# KiCad board Duet3_MB.kicad_pcb (continued)
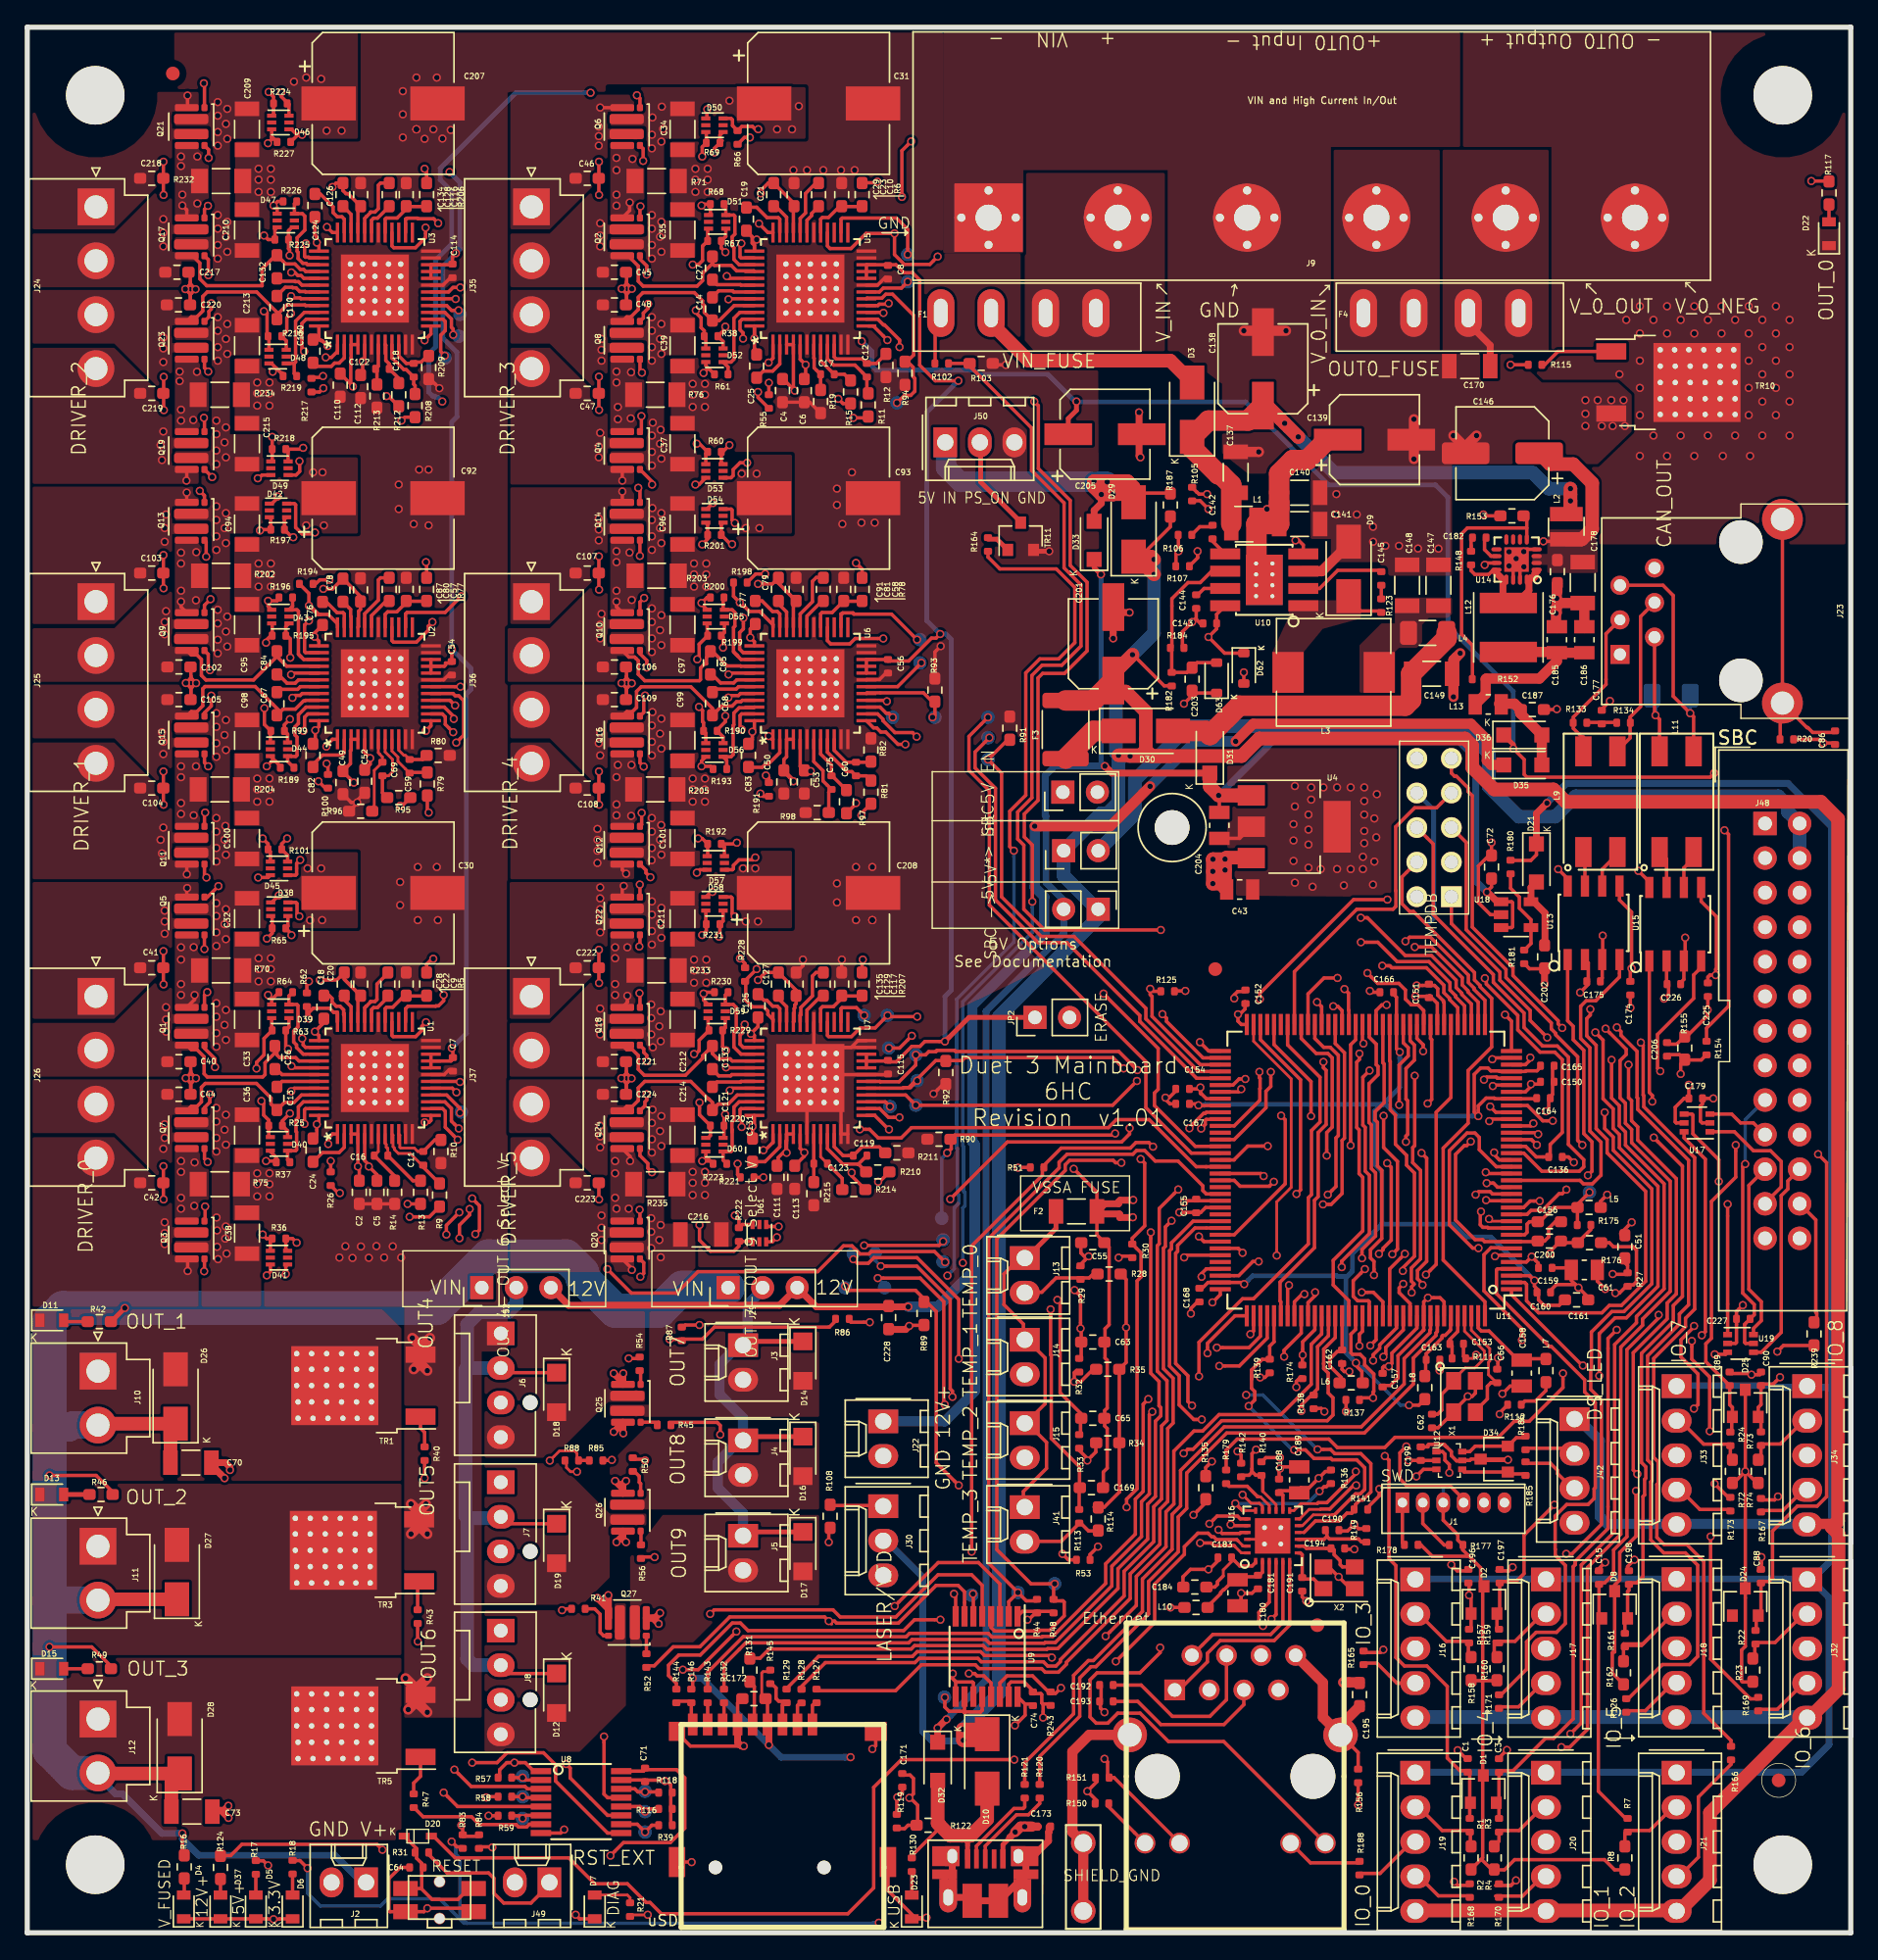
[diagram p0: board, top side]
## Routing (per net, layer and track width the routed paths; a pad name or vN(x,y) marks a point on that pad's centre or on a via; arc(x,y) is an arc through that point)
3.3V_EXT: length 169.8
  Top w0.25: D21.1 110.9,79.2 110.49,78.78 109,78.78
  Top w0.5: D21.1 110.9,82.23 v1(111.67,83)
  Bottom w0.5: 130.8,26 131.2,26 132.6,27.4 132.6,40.2 ; 130.8,26 131.03,26 132.4,24.63 132.4,13.82 130.38,11.8 102,11.8 ; 130.8,26 102,26 ; 132.6,40.2 132.46,40.06 128.44,40.06 128.3,40.2 121.2,40.2 ; 132.6,40.2 132.6,81.24 129.39,84.45 113.12,84.45 v1(111.67,83)
5V_EXT: length 375.2
  Top w0.25: 84,104.03 84,103.3 81.8,101.1 D29.1 ; v1(81.22,93.9) 81.26,93.9 83.55,91.62 84.1,91.62
  Top w0.5: 132.36,30.04 130.7,30.04
  Top w0.75: 132.6,29.8 132.36,30.04 130.8,30.04
  Top w1: 130.8,15.97 123.65,8.82 123.65,3.86 121.43,1.64 102,1.64 ; C201.1 79.81,91.19 80.72,91.19 82.2,89.71 82.2,86.89 ; 68.75,14.18 v1(68.75,14.94) 70.19,14.94 D10.1 70.09,14.14 v1(68.79,14.14) ; 82.2,86.89 82.64,86.45 ; 82.2,86.89 81.82,86.51 v1(80.19,86.51) ; 82.64,86.45 83.95,86.45 ; 82.64,86.45 v1(81.05,86.45) ; 82.64,86.45 83.95,86.45 ; v1(82.8,100.9) 82.6,101.1 D29.1 81.5,101.1 v1(82.8,99.8) ; 83.95,86.45 89.25,86.45 90.53,87.74 105.66,87.74 106.18,87.22 106.18,85.62 107.8,84 112.15,84 113.06,83.09 131.81,83.09 133.07,81.83 133.07,30.27 132.6,29.8 133.1,29.3 133.1,17.91 131.03,15.84 130.8,15.84 ; 79.81,92.49 v1(81.22,93.9)
  Top w1.5: C201.1 78.35,90.54 F3.1
  Bottom w0.5: 130.7,30.04 121.2,30.04 ; v1(68.79,14.14) 68.75,14.1 66.5,14.1 65.8,14.8 65.8,26.13 63.13,28.8 J30.2
  Bottom w0.75: 113.8,37.7 114.03,37.7 115.56,36.17 115.56,30.58 116.1,30.04 130.8,30.04
  Bottom w1: v1(82.8,99.8) v1(82.8,100.9) 82.8,95.48 v1(81.22,93.9) 80,92.68 80,86.7 v1(80.19,86.51) ; 131.03,15.84 102,15.84 ; JP5.1 78.61,75.2 76.16,77.65 JP4.1 78.91,82.25 79.38,82.25 80.19,83.06 v1(80.19,86.51) ; v1(80.19,86.51) 80.25,86.45 v1(81.05,86.45) ; v1(68.79,14.14) 68.79,14.98 ; 78.7,74.76 78.7,74.6 71.41,67.3 71.41,17.6 v1(68.75,14.94)
5V_EXT_INPUT: length 32.7
  Top w0.25: 84,105.78 81.5,105.78
  Top w0.5: v1(78.39,106.65) 78.93,106.17 v1(79.36,106.6) ; 78.6,103.7 78.4,103.9 78.4,104.5 78.93,105.03 v1(78.93,105.67)
  Top w1: 80.9,106.6 81.3,106.2 D29.2 80.7,105.7 v1(79.8,105.7) 79.77,105.67 v1(78.93,105.67) 78.39,106.21 v1(78.39,106.65) 80.85,106.65 80.9,106.6 ; 80.9,106.6 v1(79.36,106.6)
  Bottom w1: v1(78.39,106.65) 79.34,105.7 v1(79.8,105.7) 79.8,106.16 v1(79.36,106.6)
  Bottom w1.5: v1(79.36,106.6) 68.57,106.6 67.52,107.65 67.52,109.5
5V_INT: length 375.3
  Top w0.25: 73.33,16.8 73.33,15.98 v1(72.58,15.23) ; 73.33,16.8 U9.16 ; 73.33,16.8 73.9,16.8 ; U8.16 45.29,11.88 45.4,11.99 47.71,11.99 48.32,11.38 48.32,7.68 47.26,6.62 43.81,6.62 v1(42.86,5.67) ; v1(85,90.3) 85.6,90.9 85.6,91.22 ; v1(121.83,73.11) 121.83,71.5 121.74,71.4 121.74,70.05 121.39,69.7 ; C204.1 87.6,83.51 v1(87.55,83.56) ; U18.3 109.08,73.85 109.16,73.93 109.16,75.67 109.08,75.75 U18.1 ; v1(115.77,73.26) 115.77,71.53 115.74,71.5 115.74,70.15 115.49,69.9 ; v1(107.26,76.45) 107.26,76.5 107.6,76.84 107.6,77.43 ; 16.8,5.28 17.35,5.28 17.69,4.95 v1(17.7,4.95) ; C203.1 85.77,91.09 D63.1 ; D34.3 106.1,34.8 106,34.7 U12.5 105.42,34.67 105.03,34.67 104.65,35.05 104.65,35.35 104.3,35.7 104.28,35.7 104.18,35.8 104.18,35.8 104.18,35.82 104.11,35.89 102.99,35.89 102.92,35.82 102.92,35.7 C199.1
  Top w0.35: v1(108.81,34.75) 106.85,34.75 D34.3 ; v1(78.9,99.8) 78.4,100.3 D33.1
  Top w0.5: D32.1 v1(66.9,15.05) 67.53,15.68 v1(67.55,15.68) ; U18.1 108.01,75.75 107.26,76.5 ; v1(79.19,85.71) 79.7,85.2 D31.1
  Top w1: 88.88,83.56 v1(87.55,83.56) 86.9,84.21 D31.1 ; 88.88,83.56 87.95,83.56 ; 88.88,83.56 U4.1
  In1.Cu w0.25: v1(72.58,15.23) 72.13,15.68 v1(67.55,15.68) ; v1(42.86,5.67) 42.47,6.06 36.25,6.06 35.19,7.12 33.29,7.12 31.44,5.27 25.8,5.27 25.71,5.37 18.12,5.37 v1(17.7,4.95)
  In1.Cu w0.35: v1(85,90.3) 85,86.11 v1(87.55,83.56) ; v1(66.9,15.05) 66.9,14.63 61.9,9.63 61.9,3.21 60.58,1.89 46.64,1.89 v1(42.86,5.67)
  In1.Cu w0.5: v1(108.81,34.75) 108.81,32.93 109.94,31.8 109.94,30.95 112.1,28.79 114.14,28.79 114.57,28.36 131.46,28.36 132.35,29.25 132.35,81.33 130.87,82.81 126.48,82.81 125.7,82.04 125.7,74.67 124.14,73.11 v1(121.83,73.11) 121.68,73.26 v1(115.77,73.26) 110.45,73.26 v1(107.26,76.45)
  Bottom w0.35: v1(78.9,99.8) 78.9,86 v1(79.19,85.71)
  Bottom w0.5: v1(66.9,15.05) 67.53,15.68 v1(67.55,15.68) 70.46,18.58 70.46,67.7 76.16,73.4 JP5.2 76.16,75.86 74.86,77.16 74.86,82.07 74.8,82.12 74.8,85.01 75.5,85.71 v1(79.19,85.71) ; v1(87.55,83.56) 91.63,87.64 105.08,87.64 106.45,86.27 106.45,77.26 v1(107.26,76.45)
5V_SBC: length 65.2
  Bottom w1: J48.4 J48.2 129.38,82.36 129.38,82.81 128.69,83.5 113.78,83.5 112.28,82 109.6,82 107.4,84.2 107.4,86.67 105.47,88.6 95.12,88.6 95.08,88.64 85.33,88.64 81.39,84.7 81.39,82.19 JP4.2
12V_EXT: length 187.5
  Top w0.25: 14.2,5.68 14.95,5.68 15.77,6.5 25.7,6.5 v1(26.1,6.1)
  Top w0.5: J52.3 39.78,46.1 55.28,46.1 J29.3 57.99,45.99 v1(64.74,45.99) 64.68,46.05
  Top w0.75: v1(82.51,84.23) 79.58,81.3 v1(74.03,81.3) ; D35.1 107.57,85.8 107.26,86.11 107.26,87.67 106.1,88.82 90.09,88.82 v1(88.8,87.53)
  In1.Cu w0.25: v1(26.1,6.1) 27.43,6.1 32.3,10.97 32.3,11.87 31.97,12.2 31.97,43.67 34.07,45.77 36.85,45.77 J52.3
  Bottom w0.5: 65.14,46.01 64.77,46.01 v1(64.74,45.99)
  Bottom w0.75: 62.8,37.57 67.42,37.57 69.63,39.78 69.63,48.72 ; v1(88.8,87.53) 85.81,87.53 v1(82.51,84.23) ; 69.63,48.72 69.63,57.93 69.45,58.1 69.45,68.11 74.73,73.39 74.73,76.12 74.03,76.82 v1(74.03,81.3) ; 69.63,48.72 66.9,45.99 v1(64.74,45.99)
12V_MON: length 21.1
  Top w0.25: 121.8,64.12 121.41,64.51 120.5,64.51 ; 121.8,64.12 121.5,63.82 v1(121.5,63.1) ; 121.8,64.12 123.01,64.12 123.4,64.51 ; U11.27 107.92,60.28 v1(107.5,60.7)
  In1.Cu w0.25: v1(121.5,63.1) 120.8,62.4 111.61,62.4 110.91,61.7 108.5,61.7 v1(107.5,60.7)
12V_VG: length 366.6
  Top w0.25: U5.3 U5.4 56.3,113.4 v1(56.4,113.3) 55.55,114.15 C4.2 ; U2.4 U2.3 23.8,86.9 23.75,86.85 23.75,85.9 C49.2 23.2,85.3 v1(24,84.5) ; U3.4 U3.3 23.8,115.7 23.77,115.68 23.77,113.76 v1(23.93,113.6) 23.93,113.62 C110.2 ; U1.3 U1.4 v1(24.3,56.3) 24.4,56.2 C2.2 ; U7.3 U7.4 ; U7.3 v1(55.8,57.31) ; U7.3 55.8,58.2 55.75,58.15 55.75,57.52 55.18,56.95 55.18,56.43 C111.2 ; U6.4 U6.3 55.8,86.4 55.6,86.2 C50.2 56.3,84.7 v1(56.3,84.6) 55.8,85.1 ; v1(123.96,85.2) 123.66,84.9 110.2,84.9 110,85.1 110,86.2 v1(109.2,87) ; 123.4,65.49 123.4,66.46 125.02,68.08 125.02,80.7 v1(124.72,81)
  Top w0.35: D36.1 109.2,87.3 v1(109.2,87) ; C205.1 76.5,111.25 77.1,111.85 v1(77.1,112.5)
  In1.Cu w0.25: 61.83,88.66 61.83,95.61 63.4,97.18 63.4,104.03 61.34,106.09 61.34,113.7 61.67,114.02 61.67,116.58 v1(61.32,116.93) 60.03,116.93 v1(56.4,113.3) ; 61.83,88.66 57.77,84.6 v1(56.3,84.6) ; 61.83,88.66 62.34,88.15 62.34,87.3 63.31,86.34 63.31,74.08 62.15,72.92 62.15,59.08 61.14,58.06 58.96,58.06 57.6,56.7 56.4,56.7 v1(55.8,57.31) ; 30.2,85.1 30.83,84.47 30.83,82.2 30.82,82.19 30.82,71.31 28.22,68.72 28.22,66.41 29.27,65.37 29.27,60.49 25.73,56.95 25.73,56 25.32,55.59 24.72,55.59 24.3,56.01 v1(24.3,56.3) ; 30.2,85.1 28.67,86.63 28.67,88.6 28.67,88.61 28.67,98.88 30.5,100.71 v1(30.5,112.5) 28.13,112.5 26.72,113.9 24.23,113.9 v1(23.93,113.6) ; 30.2,85.1 29.6,84.5 v1(24,84.5) ; v1(123.96,85.2) 123.96,81.76 v1(124.72,81)
  In1.Cu w0.35: v1(61.32,116.93) 61.32,126.2 63.42,128.31 63.42,128.66 56.08,136 42.21,136 v1(41.39,135.19)
  Bottom w0.35: v1(109.2,87) 109.2,91.2 104.4,96 104.4,105.45 103.48,106.38 95.62,106.38 89.52,112.48 77.03,112.48 75,114.5 69.9,114.5 69.6,114.8 62.4,114.8 62.08,115.12 62.08,116.18 v1(61.32,116.93) ; v1(41.39,135.19) 35.91,135.19 30.35,129.63 30.35,128.79 31.2,127.94 31.2,124.1 30,122.9 30,116.5 29.5,116 29.5,113.2 29.8,112.9 29.94,112.9 30.04,112.8 30.2,112.8 v1(30.5,112.5)
+3.3V: length 518.8
  Top w0.2: 93.31,32.48 93.44,32.35 ; 54.6,19.19 54.08,19.19 53.97,19.09 53.97,17.5 54.28,17.2 ; v1(40.4,33.87) 39.93,33.87 39.62,34.18 39.62,34.7
  Top w0.25: v1(85.1,69.2) 84.22,69.2 84.19,69.17 ; U11.43 104.12,68.33 104.07,68.38 104.07,68.47 103.65,68.89 103.65,69.36 103.41,69.6 v1(102.1,69.6) ; U1.21 U1.22 ; U1.21 31.14,64.05 31.28,64.19 31.28,64.92 v1(31.2,65) ; U1.21 U1.20 ; U3.20 U3.21 ; U3.21 U3.22 31.19,122.55 31.25,122.49 31.25,123.15 v1(31.5,123.4) ; U3.21 30.28,122.05 ; U13.5 117,75.88 117.89,74.99 v1(117.89,70.85) 117.8,70.76 117.8,69.79 ; U2.21 30.65,93.05 30.74,93.14 30.74,93.29 31.2,93.29 v1(31.2,94.3) ; U2.21 U2.22 ; U2.21 U2.20 ; U5.20 U5.21 U5.22 63.84,122.55 64.43,121.96 65.06,121.96 65.58,121.43 65.58,115.17 66.73,114.02 v1(68.42,114.02) ; 123.5,69.68 123.5,70.21 123.65,70.36 v1(124.07,70.36) 124.07,70.78 124.13,70.84 124.13,74.65 123,75.78 U15.5 ; U7.21 63.19,64.05 63.25,63.99 63.86,63.99 65,65.13 65.6,65.13 65.96,65.49 v1(67.43,65.49) ; U7.20 U7.22 ; U6.20 U6.21 U6.22 63.14,93.55 63.25,93.44 64.77,93.44 66.45,95.12 66.79,95.12 v1(67.09,95.42) ; v1(86.21,62.1) 86.21,61.68 86.24,61.65 86.28,61.65 ; v1(86.21,62.1) 86.21,61.72 86.64,61.28 U11.80 ; v1(86.21,62.1) 86.1,62 85.29,62 ; 117.4,4.62 116.65,4.62 115.9,5.38 109.3,5.38 108.55,4.62 107.64,4.62 106.9,5.36 106.8,5.36 ; 106.8,5.36 106.06,4.62 105.9,4.62 ; 106.8,5.36 106.95,5.51 106.95,18.55 ; 78.59,9.5 78.59,9.71 v1(77.9,10.4) 78.61,11.11 78.61,11.4 ; 91.96,34.82 v1(92.06,34.91) 91.02,34.91 90.69,34.59 ; U16.14 92.27,32.17 91.99,32.45 ; U11.72 89.22,66.73 88.97,66.98 v1(88.97,67.48) 89.1,67.48 89.49,67.87 89.49,68.41 ; 32,6.31 31.57,6.31 v1(31.19,6.7) ; 54.28,17.2 54.4,17.07 J27.4 ; 48.1,44.39 48.37,44.65 v1(49.4,44.65) ; 106.1,18.53 106.85,18.53 106.95,18.62 106.95,18.87 ; 81.2,49.71 80.31,49.71 v1(80.2,49.6) ; 106.95,18.55 106.95,18.87 ; 106.95,18.55 106.97,18.53 107.8,18.53 107.64,18.53 ; 106.95,18.87 106.95,19.45 ; 106.95,19.45 106.95,25.3 106.8,25.45 106.8,26.81 105.88,27.74 ; 106.95,19.45 106.95,19.21 ; 105.88,27.74 105.8,27.66 103.25,27.66 102.41,28.5 102.19,28.5 ; 105.88,27.74 105.48,28.13 105.48,28.49 105.12,28.85 105.12,29.24 104.05,30.31 J1.3 ; 111.31,62.52 111.14,62.35 v1(110.5,62.35) 110.5,62.19 110.09,61.78 U11.30 ; 48.8,17.79 48.9,17.89 v1(48.9,18.7) ; v1(118.22,32.46) 118.22,29.13 117.02,27.94 117.02,25.92 116.65,25.55 116.65,20.64 116.54,20.64 116.47,20.57 116.47,19.09 117.13,18.43 117.3,18.43 ; 93.6,32.7 93.44,32.54 93.44,32.35 ; 93.6,32.7 94.2,32.7 v1(94.9,33.4) 95.39,33.89 95.8,33.89 ; 93.6,32.7 93.38,32.48 91.96,32.48 ; 85.1,23.9 v1(84,23.9) ; C61.1 115.37,47.88 v1(115.95,47.3) ; 125.38,33.03 v1(126.25,33.9) ; 125.38,33.03 125.1,33.03 ; 125.38,33.03 125.3,33.03 ; v1(126.25,33.9) D25.3 ; v1(126.25,33.9) D24.3 126.25,21.05 125.97,20.77 125.97,18.5 126.05,18.43 126.8,18.43 ; v1(126.25,33.9) 127.12,33.03 127.2,33.03 ; 108.8,38.8 108.2,38.2 v1(108.2,38.1) ; 111.03,49.12 111.03,49.2 v1(110.55,49.68) 110.16,49.28 U11.5 ; 126,39.9 126.3,39.6 ; 126.9,33.03 126.9,33.05 ; v1(84.66,52.93) 86.24,52.93 86.59,53.28 U11.96 ; 91.3,41.16 90.94,40.8 v1(90.6,40.8) ; v1(99.36,32.61) 99.36,32.11 98.39,31.14 98.39,31.1 ; U11.134 102.12,44.43 100.28,42.59 100.28,41.84 v1(100.05,41.61) 99.69,41.61 99.6,41.53 99.6,40.99 ; v1(116.1,54.23) 115.62,53.75 L5.1 ; U17.5 121.18,59.5 121.1,59.58 121.1,60.65 121.75,61.3 C179.1 v1(122.1,62.3) ; v1(20.6,4.74) 20.04,5.31 19.5,5.31
  Top w0.35: v1(67.43,65.49) 69.2,67.25 JP2.1
  Top w0.5: v1(54.5,13.8) 54.5,15.2 J27.4
  Top w1: v1(88.02,78.88) 87.14,78.88 v1(87.13,78.87) 87.12,78.86 v1(87.12,77.98) v1(87.12,77.08) 87.71,77.08 88.11,76.68 88.02,76.77 v1(88.02,78.08) v1(88.02,78.88) ; v1(88.02,78.88) 88.13,78.99 89.92,78.99
  In1.Cu w0.25: v1(40.4,33.87) 43.65,33.87 45.1,35.33 48.47,35.33 48.9,34.9
  In1.Cu w0.35: v1(49.4,44.65) 48.9,44.16 48.9,33.41 49.2,33.11 49.2,25.38 50.97,23.61 50.97,23.25 48.9,21.19 v1(48.9,18.7)
  In1.Cu w0.5: v1(31.04,129.36) 31.04,131.21 39.15,139.33 58.36,139.33 67.58,130.11 67.58,123.58 67.65,123.51 67.65,123.27 67.86,123.06 69.57,123.06 72.29,120.34 72.29,117.47 68.85,114.02 v1(68.42,114.02)
  Bottom w0.25: J1.3 104.05,32.75 ; v1(31.19,6.7) 31.49,6.4 31.49,5.79 31.8,5.47 31.8,1.2 32.3,0.7 ; 32.3,0.7 32.1,0.7 30.3,2.5 26.5,2.5 25.97,1.97 21.53,1.97 20.6,2.9 v1(20.6,4.74) ; 32.3,0.7 62.12,0.7 62.16,0.74 v1(62.58,0.74)
  Bottom w0.35: v1(68.42,114.02) 66.09,111.69 66.09,96.42 v1(67.09,95.42) 67.51,95.42 67.91,95.02 67.91,69.26 67.43,68.79 v1(67.43,65.49) ; v1(31.04,129.36) 31.8,128.6 31.8,123.7 v1(31.5,123.4) 30.55,122.45 30.55,117.14 31.58,116.12 31.58,111.38 31.2,111 v1(31.2,94.3) 32.62,92.88 32.62,91.37 32.28,91.03 32.28,66.08 v1(31.2,65) ; 103,74.2 103.35,74.55 103.35,82.5 J28.8
  Bottom w0.5: v1(60.5,12.9) 55.4,12.9 v1(54.5,13.8) 49.6,18.7 v1(48.9,18.7)
/Power/3V3_EXT_ADJ: length 6.5
  Top w0.25: 110,72.19 110.5,72.69 U18.4 110.5,74.43 109.64,75.28 109.64,76.1 109,76.74 109,77.81
/Power/3V3_EXT_OUT: length 5.4
  Top w0.5: 111.37,72.57 111.53,72.74 111.53,74.93 110.71,75.75 U18.5 110.5,76.8 D21.2
/Power/5V_common: length 24.8
  Top w1: D30.2 84.35,88.3
  Top w1.5: D30.2 86.6,88.3 D31.2 89.05,90.15 101.26,90.15 101.69,90.58 C149.1 104.3,95.1 L4.1
/Power/5VIN_BUCK_BS: length 6.4
  Top w0.25: 99.5,99.9 99.3,100.1 96.3,100.1 94.97,98.76 93.77,98.76
/Power/5VIN_BUCK_COMP: length 1.6
  Top w0.25: U10.5 87.1,102.24 87.1,102.53
/Power/5VIN_BUCK_EN: length 21.4
  Top w0.25: U10.8 87.4,96.87 C143.1 87.4,95.8 v1(86.8,95.2) 87.98,94.01 D62.1
  In1.Cu w0.25: JP1.2 79.84,83.8 84.12,88.08 84.12,92.53 v1(86.8,95.2)
/Power/5VIN_BUCK_FB: length 13.7
  Top w0.25: C203.2 85.97,93.31 D63.2 ; 84,94.31 84.1,94.21 84.1,92.59 84.11,92.6 85.22,92.6 85.6,92.97 ; U10.6 87.03,100.03 86.2,99.2 85.3,99.2 84.11,98.01 84.11,94.4
/Power/5VIN_BUCK_FSW: length 10.2
  Top w0.25: v1(93.2,102.3) 93.42,102.3 93.77,101.96 U10.4 ; v1(86,101.5) 86,101.01 85.39,100.4
  In1.Cu w0.25: v1(93.2,102.3) 86.8,102.3 v1(86,101.5)
/Power/5VIN_BUCK_IN: length 24.9
  Top w0.25: C141.1 92,103.71 v1(91.1,104.6) ; 91.9,103.31 91.85,103.25 ; v1(86.8,104.6) 86.18,105.22 85.6,105.22
  Top w1: 92,106.16 C140.1
  Top w1.5: 92,105.09 C141.1 L1.1 ; 92,105.09 C140.1 92,107.19 93,108.2 94.05,108.2 95.55,109.7 96.5,109.7 ; 92,105.09 92,104.64 90.85,103.5 L1.1 ; L1.1 90.33,99.82 U10.9
  In1.Cu w0.25: v1(91.1,104.6) v1(86.8,104.6)
/Power/5VIN_BUCK_SS: length 2.4
  Top w0.25: 85.9,98.19 86.48,98.76 88.03,98.76
/Power/12V_BST: length 2
  Top w0.25: 107.09,102.5 107.09,101.62 107.57,101.14 ; 107.57,101.14 107.56,101.14 ; 107.57,101.14 U14.10
/Power/12V_FB: length 18
  Top w0.25: 109.97,104.1 110.19,103.88 110.19,103.21 ; 110.19,103.21 U14.5 ; 110.19,103.21 105.82,103.21 105.4,102.79 105.4,95.39 106.2,94.59 106.2,92.1 ; 109.97,103.8 109.97,103.97
/Power/12V_VCC: length 18.3
  Top w0.25: v1(107.1,100.5) 107.24,100.64 U14.11 ; v1(111.41,102.23) 112.95,102.23 L2.1
  Top w1: L2.1 114.24,102.38 115,103.14 115,106.5 113.6,107.9 111.9,107.9 C146.1
  In1.Cu w0.35: v1(107.1,100.5) 107.1,100.92 108.41,102.23 v1(111.41,102.23)
/Power/12V_VSW: length 9.4
  Top w0.25: U14.1 110.91,99.91 ; 106.1,100.61 106.1,100.07 106.38,99.8 107.4,99.8 107.74,100.14 U14.12 107.91,100.14 107.89,100.16
  Top w0.5: 110.97,100.04 110.79,99.86 110.79,99.63 110.7,99.54 110.47,99.54 110.35,99.42 110.35,98.61 109.44,97.7 L12.2 108.44,98.1 108.44,99.42 107.82,100.04
/Processor/VDDCORE: length 105.9
  Top w0.25: v1(100.86,64.7) 100.62,64.94 U11.50 100.62,68.73 100.42,68.93 ; U11.81 86.08,60.78 v1(86.07,60.79) 85.96,60.9 85.29,60.9 ; 86.14,47.24 86.23,47.24 86.77,47.78 U11.107 89.3,47.78 v1(89.42,47.66) ; 111.03,61.32 110.99,61.28 U11.29 107.84,61.28 107.8,61.33 107.2,61.33 106.63,60.76 v1(106.63,60) 106.33,60.3 106.33,63.06 106.8,63.53 107.34,63.53 107.55,63.33 108.16,63.33 108.2,63.28 U11.33 110.09,63.28 110.14,63.33 110.94,63.33 111.31,63.7 ; L8.2 102.26,38.76 v1(101.54,38.76) ; U11.3 110.4,48.28 v1(110.75,47.92) 110.75,47.5 111.05,47.2 111.05,46.5 111.45,46.1 112.57,46.1 112.97,46.5 ; v1(97.64,41.87) 97.64,41.67 98.08,41.24 98.08,40.35
  Bottom w0.25: v1(97.64,41.87) 97.94,41.57 98.11,41.57 100.92,38.76 v1(101.54,38.76)
  Bottom w0.35: v1(86.07,60.79) 86.49,60.79 86.55,60.86 99.6,60.86 ; v1(100.86,64.7) 100.86,62.12 99.6,60.86 ; 99.6,60.86 99.51,60.86 98.99,60.34 98.99,56.48 99.54,55.93 99.54,52.06 ; 99.6,60.86 99.83,60.86 100.69,60 v1(106.63,60) ; 99.54,52.06 97.38,49.9 97.38,48.61 97.37,48.6 ; 99.54,52.06 104.78,52.06 105.72,51.12 107.56,51.12 v1(110.75,47.92) ; v1(97.64,41.87) 96.9,42.61 96.9,48.12 97.37,48.6 ; 97.37,48.6 97,48.23 96.27,48.23 96.23,48.27 90.04,48.27 v1(89.42,47.66)
/Processor/VDDPLL: length 5.7
  Top w0.25: U11.123 96.62,45.33 96.62,42.71 96.27,42.71 95.72,42.15 95.72,41.64 96.54,40.81 96.54,40.52
/Processor/VDDPLLUSB: length 6.9
  Top w0.25: 111.6,42.18 109.92,42.18 C158.1 109.55,42.07 107.42,44.21 106.85,44.21 106.62,44.44 U11.143
/Processor/VDDUTMIC: length 5.5
  Top w0.25: C163.1 102.8,42.54 103.48,43.22 ; 103.48,43.22 103.96,43.7 103.96,43.83 104.03,43.9 104.2,43.9 104.53,44.22 104.53,44.23 104.59,44.3 104.59,44.7 104.62,44.72 U11.139 ; 103.48,43.22 103.1,42.84 ; 102.76,41.96 102.76,41.05
/sheet5B64A4E5/VDD_1V2: length 5.5
  Top w0.2: 87.86,26.19 87.89,26.22 87.89,26.66 88.48,27.25 88.48,27.57
  Top w0.25: 88.48,27.57 89.1,26.95 90.01,26.95 90.27,27.21 U16.1 ; 87.86,26.19 87.46,25.79 87.46,25.6 87.26,25.4 86.67,25.4
/sheet5B64A4E5/VDDA_3V3: length 6.5
  Top w0.2: 88.9,25.93 89.03,25.93 89.25,26.16
  Top w0.25: U16.2 90.77,26.49 90.44,26.16 89.16,26.16 C180.1 88.67,25.93 87.94,25.2 87.9,25.2 87.7,25 87.7,24.93 86.67,23.9
GND: length 408.9
  Top w0.2: U16.22 91.27,28.91 U16.25 ; v1(106.47,42.46) 106.21,42.2 R111.1
  Top w0.25: 31.25,121.71 31.21,121.71 30.55,121.05 U3.19 ; 66.7,92.18 66.7,94.1 v1(67.12,94.53) ; U8.1 37.23,11.88 36.6,12.5 v1(35.8,12.5) 35.24,12.5 34.71,11.97 34.71,11.4 ; 74.62,16.81 74.55,16.89 74.55,17.5 74.47,17.57 73.9,17.57 ; 74.62,16.81 74.65,16.79 v1(74.65,15.81) ; 74.62,16.81 75.2,16.81 ; J27.G 47.75,14.7 48.73,13.72 v1(52.65,13.72) ; v1(79.16,16.2) 78.86,16.5 78.86,16.94 78.91,17 ; D6.1 18.55,1.03 18.52,1 v1(18.1,1) 17.68,1 17.65,1.03 D5.1 D37.1 D4.1 ; J27.G 63.25,3.11 65.24,1.11 v1(66.08,1.11) 66,1.03 D23.1 ; 47.29,7.9 47.29,10.88 47.01,11.15 v1(46.87,11.15) 46.8,11.21 45.4,11.21 45.39,11.22 U8.15 ; v1(33.73,9.94) 33.79,10 34.71,10 ; 78.91,17 78.91,18.2 ; 78.91,17 78.91,17 ; v1(64.81,44.59) 64.85,44.62 65.9,44.62 ; v1(94.78,68.38) 95.12,68.04 U11.61 ; 73.96,17.79 73.9,17.79 73.26,18.43 72.29,18.43 72.12,18.26 U9.15 72.17,17.3 ; 34.71,8.6 v1(33.9,8.6) ; v1(48.82,5.19) 48.81,5.2 J27.G ; D7.1 40.6,1.03 v1(40.3,1.33) ; v1(62.1,13.5) 62.35,13.75 J27.G ; J27.6 52.2,16.88 52.53,17.2 ; 86.51,96.2 86.2,96.2 85.9,96.5 ; 85.9,96.5 85.8,96.5 v1(85.6,96.3) 84.89,95.59 84.89,94.4 ; 85.9,96.5 85.9,97.41 ; v1(87.05,34.63) 86.6,34.18 86.6,33.62 ; 86.14,46.46 86.1,46.46 85.51,45.87 v1(85.51,45.49) ; 127.2,26.59 127.43,26.82 v1(127.43,27.6) ; S1.2 32.55,1.8 v1(29.4,1.8) 29.15,1.55 S1.1 26.65,1.55 26.57,1.63 26.57,3.97 27.4,4.8 28.21,4.8 ; v1(107,104.2) 107.1,104.1 108.22,104.1 ; 111.47,89.71 111.47,89.87 112.37,89.87 v1(112.4,89.9) ; v1(72.81,56.21) 72.83,56.23 73.82,56.23 ; v1(68.1,24.9) 68.22,24.78 U9.8 ; v1(42.02,69.78) 42.01,69.79 42.01,72.22 v1(42.01,72.22) ; v1(42.02,53.88) 42.01,53.9 42.01,55.11 ; v1(112.5,78.14) 113.19,77.44 U13.8 ; v1(10.01,85.32) 10,85.31 10,82.9 v1(10.02,82.88) ; U15.8 119.19,77.22 v1(118.39,78.02) ; v1(10.01,101.22) 10,101.22 10,98.79 v1(10.02,98.78) ; v1(10.02,127.68) 10,127.69 10,130.12 v1(10.01,130.12) ; v1(10.03,114.31) 10.02,114.31 10.02,111.88 v1(10.04,111.87) ; v1(42.02,111.88) 42.01,111.9 42.01,114.31 v1(42.01,114.32) ; v1(10.02,53.88) 10,53.9 10,56.31 v1(10.01,56.32) ; v1(42.01,101.12) 42.01,101.12 42.01,98.69 v1(42.02,98.68) ; v1(42.01,85.32) 42.01,85.31 42.01,82.9 v1(42.02,82.88) ; v1(10.01,72.12) 10,72.12 10,69.69 v1(10.02,69.68) ; v1(42.02,127.68) 42.01,127.69 42.01,130.12 v1(42.01,130.12) ; 57.8,63.05 U7.19 63.09,63.05 63.25,63.21 ; 57.8,63.05 U7.EPAD ; 57.8,63.05 U7.30 ; U7.EPAD 57.55,63.6 59,65.05 60.1,65.05 ; U7.EPAD 58.3,62.8 ; U7.EPAD 57.3,62.55 U7.6 ; U7.EPAD U7.EPAD 59.8,61.55 U7.11 U7.12 ; 60.1,65.05 U7.23 ; 60.1,65.05 60.55,65.05 61.05,65.55 U7.24 ; v1(59.86,71.5) 59.85,71.49 59.85,70.57 ; 44.03,63.28 44.03,63.15 v1(43.66,62.78) 44.03,62.41 44.03,61.6 44.03,62.38 v1(44.41,62.77) 44.03,63.16 44.03,63.28 ; 44.03,63.28 44.03,64 ; 44.05,121.29 44.05,121.16 v1(44.43,120.78) 44.05,120.4 44.05,119.61 44.05,120.43 v1(43.68,120.79) 44.05,121.16 44.05,121.29 ; 44.05,121.29 44.05,122.01 ; 44.03,93.03 44.03,92.31 ; 44.03,92.31 44.03,92.19 v1(44.42,91.8) 44.03,91.41 44.03,90.63 44.03,91.44 v1(43.67,91.81) 44.03,92.18 44.03,92.31 ; 11.98,121.98 11.98,121.26 ; 11.98,121.26 11.98,121.13 v1(12.37,120.75) 11.98,120.37 11.98,119.58 11.98,120.4 v1(11.62,120.76) 11.98,121.12 11.98,121.26 ; 12.02,93.04 12.02,92.32 ; 12.02,92.32 12.02,92.19 v1(11.66,91.82) 12.02,91.46 12.02,90.64 12.02,91.43 v1(12.41,91.81) 12.02,92.19 12.02,92.32 ; 31.28,63.41 31.01,63.41 30.65,63.05 U1.19 ; 63.25,121.61 63.05,121.61 62.48,121.05 U5.19 ; U14.15 109.69,100.64 U14.17 ; U14.17 110.19,101.64 U14.4 ; U14.17 109.19,100.64 U14.14 ; U2.19 30.6,92.05 31.06,92.51 31.2,92.51 ; 63.25,92.66 63.21,92.66 62.63,92.08 61.69,92.08 U6.19 ; 12.02,63.29 12.02,63.16 v1(12.4,62.78) 12.02,62.4 12.02,61.61 12.02,62.43 v1(11.65,62.79) 12.02,63.16 12.02,63.29 ; 12.02,63.29 12.02,64.01 ; v1(73.5,23) 73.59,23 74.2,23.61 ; 99.51,69.1 98.76,69.1 v1(98.66,69.2) ; 74.2,23.61 73.14,23.61 U9.1 ; 74.2,23.61 75.42,23.61 ; v1(102,68.8) 103,68.8 103.05,68.85 103.62,68.28 U11.44 ; U4.2 89.09,80.41 C204.2 ; 96.52,41.96 96.59,41.96 96.62,41.93 96.62,41.39 96.78,41.23 v1(97.15,41.23) ; 96.33,29.46 96.28,29.52 97.02,29.52 v1(97.51,30.01) 97.83,29.69 98.4,29.69 ; 96.7,28.24 96.76,28.18 v1(97.52,28.18) ; X2.2 97.24,25.28 v1(96.37,26.15) 95.64,26.88 X2.4 ; v1(88.69,68.64) 88.69,68.9 88.94,69.16 89.52,69.16 ; v1(92.72,47.57) 92.62,47.47 U11.115 ; 132.84,87.41 v1(131.98,87.41) 131.94,87.37 131.63,87.68 129.78,87.68 ; 102.62,44.31 U11.135 102.62,46.36 102.92,46.66 v1(102.93,46.66) 103.82,46.66 104.12,46.36 U11.138 ; 102.62,44.31 102.62,44.26 ; 102.62,44.31 102.62,44.29 100.73,42.4 100.73,40.77 100.17,40.21 99.6,40.21 ; 102,6.72 101.77,6.72 99.41,4.36 97.9,4.36 ; 113.75,48.84 113.46,49.12 113.2,48.85 111.94,48.85 ; 64.3,10.81 64.3,10.28 63.98,9.96 v1(63.94,9.96) 63.9,9.91 63.9,8.69 ; 108,26.59 108.88,26.59 v1(109.15,26.86) ; 105.43,43.27 105.62,43.27 ; v1(108.73,13.43) 108,12.7 108,12.68 ; 84.51,62 84.51,61.96 83.9,61.35 v1(83.64,61.35) 83.64,61.24 83.97,60.9 84.51,60.9 ; 117.6,26.49 117.6,26.91 v1(118.1,27.41) ; v1(93.99,24.38) 93.99,24.38 93.69,24.67 93.69,25.21 ; U13.2 114.71,71.25 114.71,69.68 v1(114.11,69.08) ; 120.5,65.29 121.21,65.29 121.8,65.88 121.97,65.88 123.48,67.39 v1(123.48,67.8) 123.5,67.82 123.5,68.9 ; v1(71.91,115.19) 71.25,115.19 71.2,115.24 ; v1(117.81,67.96) 117.8,67.97 117.8,69.01 ; v1(120.28,68.63) 120.61,68.96 120.61,69.7 120.47,69.85 U15.2 ; v1(104.65,27.04) 104.65,27.02 105.08,26.59 105.65,26.59 ; X1.4 106.42,39.65 106.18,39.41 v1(105.86,39.41) 105.86,39.39 104.82,38.35 X1.2 103.67,37.1 C62.2 ; C189.2 92.18,34.23 v1(92.05,34.11) 91.99,34.04 91.99,33.22 ; 88.95,35.37 v1(88.94,35.37) 89.2,35.11 89.2,34.39 ; U17.2 123.07,59.5 122.95,59.62 122.95,60.75 123.1,60.9 C179.2 v1(123.9,61.3) ; v1(85,53.66) 85.12,53.78 U11.95 ; 115.3,26.49 115.3,26.56 v1(115.95,27.21) ; 112.69,57 113.25,57 v1(113.65,56.6) ; v1(113.99,47.4) 114.72,46.66 114.72,46.5 ; v1(113.99,47.4) 113.77,47.62 112.37,47.62 111.83,47.09 111.83,47.05 ; v1(113.99,47.4) 113.46,47.93 113.46,48.8 ; 108.02,41.3 108.07,41.35 v1(108.07,42.23) ; U18.2 107.52,74.8 106.64,75.68 106.64,78.38 107.44,79.18 107.6,79.18 v1(107.6,80.1) ; v1(93.26,40.09) 93.26,40.51 93.57,40.82 93.7,40.82 ; 110,71.22 110.39,70.82 111.2,70.82 ; v1(101.5,34.7) C199.2 U12.2 ; 86.95,26.7 v1(86.8,26.7) ; v1(86.8,26.7) 86.87,26.7 87.55,27.38 87.55,27.57 ; v1(86.8,26.7) 85.47,26.7 84.92,26.15 84.92,25.4 ; v1(24.25,83.05) 24.25,83 R96.2 ; v1(24.25,83.05) 24.25,83.2 C52.1 ; v1(24.25,83.05) 23.8,83.05 C49.1 ; D62.2 v1(89.4,92.6) ; v1(39.46,7.59) 39.2,7.32 U8.8 ; R53.1 76.51,27.4 v1(76.07,27.84) ; C134.2 24.48,128.57 24.35,128.57 ; 125.1,41.09 126.62,41.09 v1(126.7,41.01) 127.32,41.01 127.4,41.09 ; 24.4,112.85 C112.1 ; 112.09,63.7 112.09,61.6 111.81,61.32 111.81,60.56 v1(111.6,60.35) ; 115.7,89.7 115.7,89.9 v1(116.3,90.5) ; 117.1,51.28 117.1,51.4 v1(117.9,52.2) ; v1(66.6,61.64) 67.28,62.32 67.5,62.32 ; v1(108.4,39.6) 108.96,40.16 C158.2 ; U19.2 125.53,43.3 125.6,43.38 C227.2 125.6,45.65 v1(126.07,46.11) ; v1(95.32,38.29) 95.09,38.52 94.53,38.52 ; R19.2 57.5,112.45 C6.1 C4.1 ; 97.8,11.04 v1(97.8,9.4) ; 103.9,42.1 C163.2 103.8,41.33 v1(103.78,41.32) ; v1(105.11,13.41) 105.7,12.83 105.7,12.69 ; v1(30.29,113.48) 29.62,114.15 29.4,114.15 ; 90.44,25.38 90.01,24.95 v1(89.2,24.95) 89.2,24.2 89.03,24.02 ; R14.2 C5.1 C2.1 ; R111.1 105.54,42.36 C153.2 ; v1(96.9,38.3) 96.92,38.31 96.92,39.15 ; 84.59,102.7 84.59,101.51 v1(84.6,101.5) 84.42,101.31 84.42,100.4 ; v1(57,71.5) 57,71.05 C135.2
  Top w0.35: v1(75.1,101.5) 74.05,101.5 TR11.2 ; 72.2,6.97 71.7,6.47 J43.5
  Top w0.5: v1(44,28.7) 43.77,28.93 43.77,29.51 43.77,29.18 v1(43.3,28.7) ; v1(14.5,33.4) 13.53,34.37 C70.2 14.57,34.54 14.9,34.21 v1(14.9,34) ; v1(43.8,36.7) 43.77,36.72 43.77,37.51 43.77,37.47 v1(43.1,36.8) ; v1(44,33.2) 43.77,32.97 43.77,32.29 43.77,32.62 v1(43.2,33.2) ; v1(46.5,23.5) 46.12,23.12 Q27.2 45.97,23.12 v1(46.4,22.7) ; v1(43.1,41.1) 43.77,40.43 43.77,40.29 43.77,41.07 v1(43.8,41.1) ; v1(41.9,24.6) 42.71,23.79 Q27.3 42.71,24.79 v1(42.7,24.8) ; v1(52.65,13.72) 52.48,13.72 52.2,14 J27.6 ; 63.3,44.32 64.55,44.32 v1(64.81,44.59) ; v1(14.78,9.33) 14.44,8.99 13.73,8.99 14.24,8.99 v1(14.79,8.44) ; C208.2 62.04,76.4 ; 79.81,96.75 79.68,96.75 ; 79.81,96.75 79.8,96.74 v1(79.8,95.1) ; 79.81,96.75 80.06,97 v1(81,97) ; v1(72.6,7.4) 72.2,7 72.2,6.97 ; 111.5,70.9 v1(111.5,69.7) ; 74.31,7.8 73.82,7.8 ; v1(81.7,111.7) 81.7,108.5 v1(81.8,108.4)
  Top w0.75: v1(90.5,108.8) 90.5,108.81 C137.2 ; TR5.3 28.9,16.7 v1(29.4,16.2) ; TR5.3 28.9,18.2 v1(29.4,18.7) ; TR5.3 28.9,17.3 v1(28,16.4) ; TR5.3 28.9,17.6 v1(27.8,18.7) ; v1(112.39,98.04) 112.39,96.99 v1(112.34,96.94) ; v1(112.39,98.04) 112.39,99.07 112.44,99.12 112.44,98.51 ; v1(112.39,98.04) 112.39,97.38 ; 97.1,102 95.14,100.03 U10.3 ; v1(112.34,96.94) 112.34,97.38 112.65,97.69 C178.2 114.42,97.57 114.42,95.85 ; v1(112.34,96.94) 112.34,95.91 112.4,95.85 ; v1(104.8,110) 105.7,109.1 C146.2 105.7,109.2 v1(106.5,110) ; v1(96.7,18.4) 97.88,18.4 97.9,18.38 ; v1(101.9,108.28) v1(101.9,111.2) ; v1(89.4,117.7) v1(92.5,117.7) ; v1(29.6,43.7) 28.9,43 TR1.3 ; TR1.3 28.9,43.1 v1(28.3,43.7) ; TR1.3 28.9,41.9 v1(28.4,41.4) ; TR1.3 28.9,41.8 v1(29.4,41.3) ; v1(28.2,31.5) 28.8,30.9 TR3.3 ; TR3.3 28.8,29.9 ; TR3.3 28.8,31 v1(29.3,31.5) ; 28.8,29.9 v1(28.2,29.3) ; 28.8,29.9 v1(29.4,29.3) ; 73.82,7.8 v1(73.3,7.8) 73,7.8 v1(72.6,7.4) ; v1(105.3,94.01) 104.8,93.51 v1(104.8,90.8)
  vias: v1(16.9,113.9) v1(16.9,113.1) v1(16.9,112.2) v1(16.9,84.8) v1(16.9,84) v1(16.9,83.1) v1(16.9,55.8) v1(16.9,55) v1(16.9,54.1) v1(17,129.6) v1(17,128.8) v1(17,127.9) v1(17,100.6) v1(17,99.8) v1(17,98.9) v1(17,71.6) v1(17,70.8) v1(17,69.9) v1(17.8,113.9) v1(17.8,113.1) v1(17.8,112.2) v1(17.8,84.8) v1(17.8,84) v1(17.8,83.1) v1(17.8,55.8) v1(17.8,55) v1(17.8,54.1) v1(17.9,129.6) v1(17.9,128.8) v1(17.9,127.9) v1(17.9,100.6) v1(17.9,99.8) v1(17.9,98.9) v1(17.9,71.6) v1(17.9,70.8) v1(17.9,69.9) v1(22.94,49.61) v1(23.38,50.44) v1(23.9,49.58) v1(24.52,50.42) v1(25.1,49.59) v1(25.66,50.45) v1(26.23,49.61) v1(26.86,50.43) v1(27.3,106.4) v1(27.3,104.6) v1(27.4,77.2) v1(27.4,75.5) v1(27.48,49.61) v1(27.6,135.3) v1(27.6,133.6) v1(27.6,131.9) v1(28.4,103.5) v1(28.6,136.3) v1(28.6,132.5) v1(28.6,132.5) v1(28.6,132.5) v1(28.7,78.3) v1(28.7,74.4) v1(28.8,107.5) v1(29.2,131.8) v1(29.49,107.5) v1(29.49,103.4) v1(29.84,132.5) v1(30.1,136.3) v1(30.1,78.3) v1(30.17,74.4) v1(30.51,131.82) v1(31.12,132.45) v1(48.9,113.8) v1(48.9,113) v1(48.9,112.1) v1(48.9,84.8) v1(48.9,84) v1(48.9,83.1) v1(48.9,55.9) v1(48.9,55.1) v1(48.9,54.2) v1(49,100.6) v1(49,99.8) v1(49,98.9) v1(49,71.5) v1(49,70.7) v1(49,69.8) v1(49.1,129.6) v1(49.1,128.8) v1(49.1,127.9) v1(49.8,113.8) v1(49.8,113) v1(49.8,112.1) v1(49.8,84.8) v1(49.8,84) v1(49.8,83.1) v1(49.8,55.9) v1(49.8,55.1) v1(49.8,54.2) v1(49.9,100.6) v1(49.9,99.8) v1(49.9,98.9) v1(49.9,71.5) v1(49.9,70.7) v1(49.9,69.8) v1(50,129.6) v1(50,128.8) v1(50,127.9) v1(56.3,129.5) v1(57.3,129.5) v1(58.5,129.5) v1(59.5,106.1) v1(59.5,104.9) v1(59.5,77.1) v1(59.5,75.7) v1(59.8,129.5) v1(59.9,103.5) v1(60.6,107.3) v1(60.8,129.5) v1(60.9,78.3) v1(60.9,74.4) v1(61.3,103.6) v1(62.1,78.3) v1(62.1,74.4) v1(62.1,74.4) v1(62.1,74.4) v1(62.27,103.6) v1(81.24,52.57) v1(81.27,53.84) v1(93.05,81.45) v1(93.05,80.25) v1(93.05,78.75) v1(93.15,84.25) v1(93.15,82.75) v1(93.15,77.15) v1(94.15,82.15) v1(94.15,81.05) v1(94.15,79.95) v1(94.15,78.25) v1(94.35,84.15) v1(94.35,83.25) v1(94.45,76.85) v1(95.05,78.15) v1(95.25,84.15) v1(96.2,105.7) v1(96.2,104.2) v1(96.25,84.15) v1(96.25,78.15) v1(96.75,76.95) v1(97.25,84.15) v1(97.25,78.15) v1(97.7,104.2) v1(98.25,84.15) v1(98.25,83.15) v1(98.25,82.15) v1(98.25,80.95) v1(98.25,80.05) v1(98.15,79.05) v1(98.15,78.15) v1(98.89,103.3) v1(98.9,102.2) v1(98.89,77.01) v1(98.99,81.87) v1(98.99,78.7) v1(99.13,80.48) v1(99.17,83.65) v1(99.8,101.9) v1(100.8,101.9) v1(102.2,101.7) v1(103.7,101.69) v1(108.89,101.46) v1(108.89,100.42) v1(109.41,100.96) v1(109.97,101.47) v1(109.98,100.36) v1(114.5,112.6) v1(114.5,111.6) v1(114.5,110.7) v1(115.4,112.6) v1(115.7,110.7) v1(116.4,112.6) v1(116.5,110.7) v1(117.3,112.6) v1(117.4,110.7)
